# Altium PCB PCB1.pcbdoc (part 3 of 3) (continued)
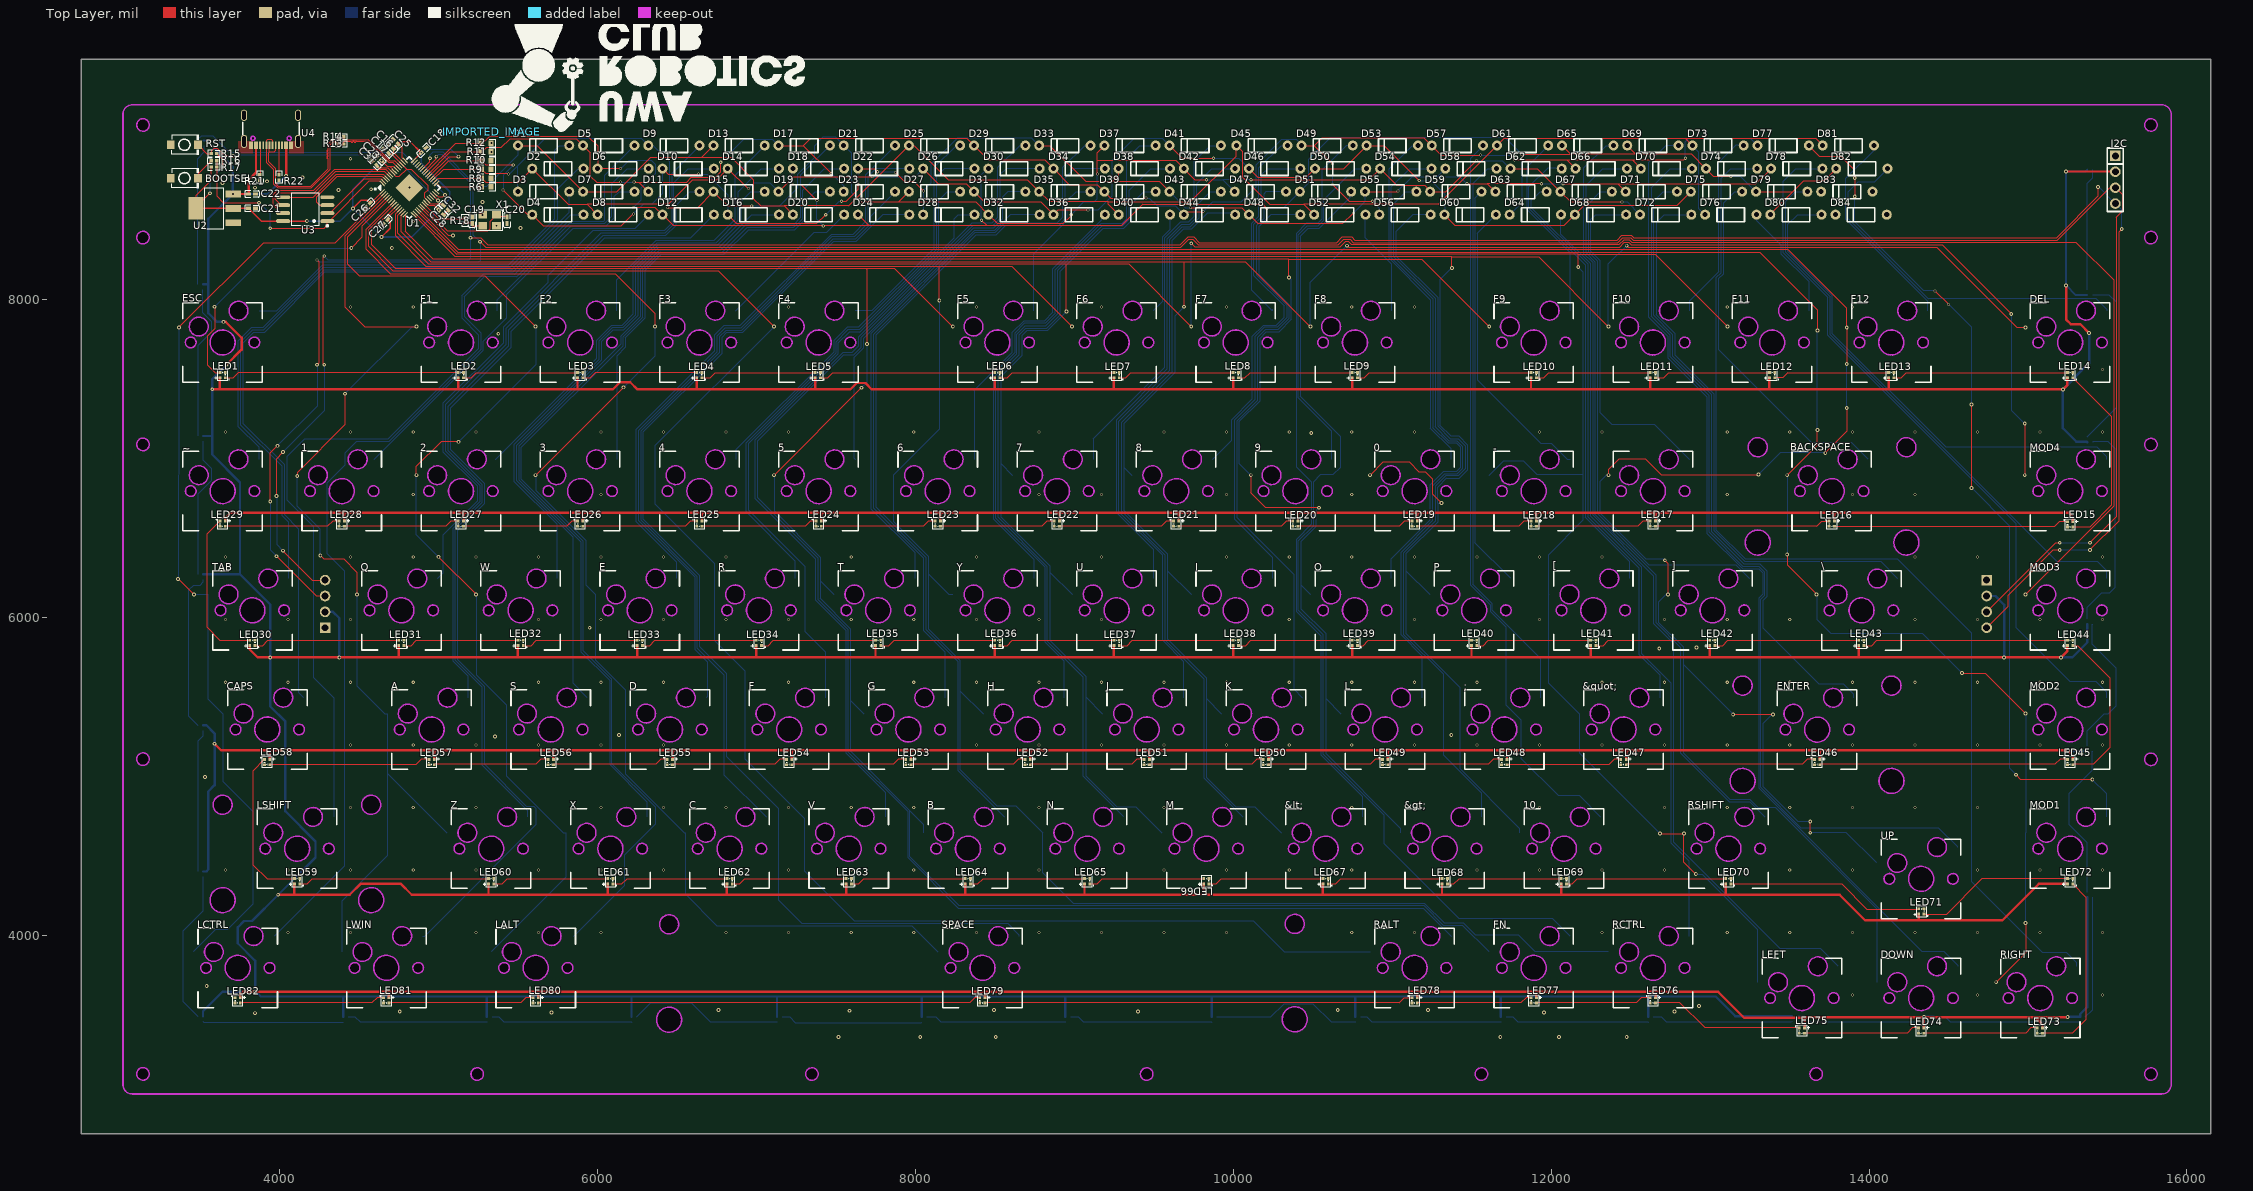
[diagram p0: Top Layer view]
## Nets (pads, with @x,y where several pads share a name; then routed paths per layer and width w, separated by ;. In a path a pad name is that pad's centre, name@x,y a point inside that pad or via, vN(x,y) a via of type N, cw(c..) or ccw(c..) an arc to the next point about the centre after c; other vN are vias at no path point) (continued)
  Bottom Layer w5: v1(6145,8737.79) v1(6230,8737.79) ; v1(6775,8862.79) 6920,9007.79 7098.58,9007.79 D17.1@7138.58,8967.79 ; v1(7470,8792.79) 7548.58,8714.21 D23.1@7548.58,8677.79 ; v1(9450,8637.79) 9470,8637.79 9520,8587.79 9633.58,8587.79 D44.1@9688.58,8532.79 ; v1(9810,8552.79) 9870,8612.79 10050,8612.79 10145,8707.79 10145,8847.79 10305,9007.79 10395,9007.79 10428.58,8974.21 D49.1@10428.58,8967.79 ; v1(10625,8722.79) v1(10625,8852.79) ; v1(10875,8617.79) 10918.58,8574.21 D56.1@10918.58,8532.79 ; v1(11555,8907.79) 11740,8907.79 v1(11770,8877.79) ; v1(12845,8887.79) 12845,8992.79 12865,9012.79 13253.58,9012.79 D77.1@13298.58,8967.79
R6: D6.1 D12.1 D18.1 D24.1 D30.1 D51.1 D64.1 D65.1 D69.1 D74.1 D79.1 D80.1 D82.1 R12.2 U1.35 | length 11950.3
  Top Layer w5: U1.35@4919.4,8796.05 5106.14,8982.79 R12.2@5270.34,8982.79 ; R12.2@5279.74,8985.86 5320.5,9026.62 5937.78,9026.62 5999.24,8965.16 D6.1@5999.24,8824.1 ; D6.1@5998.58,8822.79 v1(6145,8822.79) ; v1(6225,8577.79) 6363.58,8577.79 D12.1@6408.58,8532.79 6478.58,8462.79 v1(7420,8462.79) 7708.58,8462.79 ; v1(7225,8722.79) 7280,8722.79 v1(7380,8622.79) ; D24.1@7638.58,8532.79 7708.58,8462.79 ; v1(8415,8497.79) 8450,8462.79 ; v1(10210,8572.79) 10185,8597.79 9430,8597.79 9295,8462.79 8450,8462.79 ; v1(11815,8912.79) 12123.58,8912.79 ; D65.1@12068.58,8967.79 12123.58,8912.79 ; D69.1@12478.58,8967.79 12533.58,8912.79 ; v1(13130,8772.79) 13023.58,8772.79 D74.1@12973.58,8822.79 12883.58,8912.79 12533.58,8912.79 ; D79.1@13288.58,8677.79 13520,8677.79 ; D80.1@13378.58,8532.79 13378.58,8536.37 13520,8677.79 ; D82.1@13793.58,8822.79 13713.58,8742.79 13585,8742.79 13520,8677.79 ; 7708.58,8462.79 8450,8462.79 ; 12123.58,8912.79 12533.58,8912.79
  Bottom Layer w5: v1(6145,8822.79) 6195,8872.79 6340,8872.79 6365,8847.79 6365,8792.79 6275,8702.79 6275,8627.79 v1(6225,8577.79) ; v1(7225,8722.79) 7225,8819.21 D18.1@7228.58,8822.79 ; v1(7380,8622.79) 7380,8502.79 v1(7420,8462.79) ; v1(8415,8497.79) 8415,8782.79 8455,8822.79 D30.1@8458.58,8822.79 ; v1(10210,8572.79) 10313.58,8572.79 D51.1@10418.58,8677.79 10470,8729.21 10470,8877.79 10610,9017.79 11710,9017.79 v1(11815,8912.79) 11815,8609.21 D64.1@11738.58,8532.79 ; v1(13130,8772.79) 13193.58,8772.79 D79.1@13288.58,8677.79
SCL1: I2C.3 U1.37 | length 18120.5
  Top Layer w5: v2(3940,6728.73) 3940,7033.73 v2(3985,7078.73) ; v2(3980,6383.73) 4230,6133.73 I2C.3@4285,6133.73 ; v2(4235,7588.73) 4245,7598.73 4245,8237.79 v1(4235,8247.79) ; U1.37@4897.13,8818.32 4945,8866.19 v2(4945,8887.79) ; v2(5260,8362.79) 5295,8327.79 9670,8327.79 9720,8377.79 9745,8377.79 9780,8342.79 10660,8342.79 10695,8377.79 10735,8377.79 10755,8357.79 12420,8357.79 12450,8387.79 12500,8387.79 12515,8372.79 15185,8372.79 15515,8702.79 I2C.3@15550,8702.79 15595,8657.79 15595,8557.79 15555,8517.79 15555,6633.73 v2(15390,6468.73) ; I2C.3@14740,6033.73 15175,6468.73 v2(15200,6468.73)
  Bottom Layer w5: v2(3940,6728.73) 3940,6423.73 v2(3980,6383.73) ; v2(3985,7078.73) 4235,7328.73 v2(4235,7588.73) ; v1(4235,8247.79) 4250,8232.79 5250,8232.79 5260,8242.79 v2(5260,8362.79) 5215,8407.79 5215,8737.79 5025,8927.79 4965,8927.79 4945,8907.79 v2(4945,8887.79) ; v2(15200,6468.73) v2(15390,6468.73)
SDA1: I2C.4 U1.36 | length 18001.4
  Top Layer w5: v2(3980,6763.73) 3980,6998.73 v2(4020,7038.73) ; v2(4020,6418.73) 4205,6233.73 I2C.4@4285,6233.73 ; v2(4280,7588.73) 4270,7598.73 4270,8262.79 v1(4280,8272.79) ; U1.36@4908.27,8807.19 4985,8883.92 v2(4985,8897.79) ; v2(5200,8387.79) 5265,8387.79 5310,8342.79 9665,8342.79 9715,8392.79 9750,8392.79 9785,8357.79 10650,8357.79 10685,8392.79 10745,8392.79 10765,8372.79 12415,8372.79 12445,8402.79 12505,8402.79 12520,8387.79 15180,8387.79 15440,8647.79 v2(15440,8707.79) ; I2C.4@14740,5933.73 14875,6068.73 14875,6138.73 15160,6423.73 v2(15200,6423.73) ; v2(15390,6423.73) 15570,6603.73 15570,8422.79 v2(15590,8442.79)
  Bottom Layer w5: v2(3980,6763.73) 3980,6458.73 v2(4020,6418.73) ; v2(4020,7038.73) 4280,7298.73 v2(4280,7588.73) ; v1(4280,8272.79) 4305,8247.79 5190,8247.79 5200,8257.79 v2(5200,8387.79) 5200,8732.79 5020,8912.79 5000,8912.79 v2(4985,8897.79) ; v2(15200,6423.73) v2(15390,6423.73) ; v2(15440,8707.79) 15445,8707.79 I2C.4@15550,8602.79 15590,8562.79 v2(15590,8442.79)
VCC: C22.2 I2C.2 LED1.2 LED2.2 LED3.2 LED4.2 LED5.2 LED6.2 LED7.2 LED8.2 LED9.2 LED10.2 LED11.2 LED12.2 LED13.2 LED14.2 LED15.2 LED16.2 LED17.2 LED18.2 LED19.2 LED20.2 LED21.2 LED22.2 LED23.2 LED24.2 LED25.2 LED26.2 LED27.2 LED28.2 LED29.2 LED30.2 LED31.2 LED32.2 LED33.2 LED34.2 LED35.2 LED36.2 LED37.2 LED38.2 LED39.2 LED40.2 LED41.2 LED42.2 LED43.2 LED44.2 LED45.2 LED46.2 LED47.2 LED48.2 LED49.2 LED50.2 LED51.2 LED52.2 LED53.2 LED54.2 LED55.2 LED56.2 LED57.2 LED58.2 LED59.2 LED60.2 LED61.2 LED62.2 LED63.2 LED64.2 LED65.2 LED66.2 LED67.2 LED68.2 LED69.2 LED70.2 LED71.2 LED72.2 LED73.2 LED74.2 LED75.2 LED76.2 LED77.2 LED78.2 LED79.2 LED80.2 LED81.2 LED82.2 LED83.2 LED84.2 LED85.2 LED86.2 LED87.2 LED88.2 LED89.2 LED90.2 LED91.2 LED92.2 LED93.2 LED94.2 LED95.2 LED96.2 LED97.2 LED98.2 LED99.2 LED100.2 LED101.2 LED102.2 LED103.2 LED104.2 LED105.2 LED106.2 LED107.2 LED108.2 U2.3 U4.A4B9 U4.B4A9 | length 99291.8
  Top Layer w12.01: v2(15240,8803.73) 15549.06,8803.73 I2C.2@15550,8802.79
  Top Layer w15: v2(3575,7434.53) 5122.36,7434.53 ; v2(3590,5203.73) 3631.37,5162.37 3936.73,5162.37 ; 3623.27,7434.59 LED1.2@3623.27,7507 ; v2(3645,7858.73) 3660,7858.73 3760,7758.73 3760,7683.73 v2(3665,7588.73) ; LED29.2@3656.73,6605.46 3656.73,6625.46 3689.92,6658.65 v2(3750,6658.65) 4404.28,6658.65 ; v2(3705,8662.79) 3705.55,8663.34 U2.3@3706.93,8663.34 C22.2@3804.09,8663.34 ; LED82.2@3751.73,3605.46 3751.73,3625.46 3770,3643.73 v2(3845,3643.73) 4686.48,3643.73 ; C22.2@3803.54,8662.79 C22.2@3804.09,8663.34 ; LED30.2@3810.96,5822 3810.96,5797.77 3861.5,5747.23 v2(3940,5747.23) v2(4374.72,5747.23) 4749.17,5747.23 ; U4.B4A9@3850.51,8969.24 3850.51,8798.3 3805,8752.79 3805,8664.25 C22.2@3804.09,8663.34 ; LED58.2@3936.73,5105.46 3936.73,5162.37 ; v2(3990.07,4253.8) 4091.77,4253.8 ; v2(4039.49,8777.79) U4.A4B9@4039.49,8969.24 ; LED59.2@4091.95,4322 4091.95,4253.99 4091.77,4253.8 ; LED28.2@4406.73,6605.46 4406.73,6656.2 4404.28,6658.65 ; LED81.2@4686.73,3605.46 4686.73,3643.49 4686.48,3643.73 ; LED31.2@4748.27,5822 4748.27,5748.13 4749.17,5747.23 ; LED57.2@4971.73,5105.46 4971.73,5161.22 4972.88,5162.37 ; LED2.2@5123.27,7507 5123.27,7435.45 5122.36,7434.53 ; LED27.2@5156.73,6605.46 5156.73,6657.47 5155.55,6658.65 ; LED60.2@5313.27,4322 5313.27,4254.07 5313.61,4253.73 ; LED32.2@5498.27,5822 5498.27,5750.73 5494.77,5747.23 ; LED80.2@5626.73,3605.46 5626.73,3643.71 ; LED56.2@5721.73,5105.46 5721.73,5161.38 5722.72,5162.37 ; LED3.2@5873.27,7507 5873.27,7435.18 5872.63,7434.53 ; LED26.2@5906.73,6605.46 5906.73,6657.84 5905.92,6658.65 ; LED61.2@6063.27,4322 6063.27,4254.08 6063.61,4253.73 ; LED33.2@6248.27,5822 6248.27,5747.76 6248.8,5747.23 ; LED55.2@6471.73,5105.46 6471.73,5162.13 6471.49,5162.37 ; LED4.2@6623.27,7507 6623.27,7434.24 6622.77,7433.73 ; LED25.2@6656.73,6605.46 6656.73,6657.69 6655.77,6658.65 ; LED62.2@6813.27,4322 6813.27,4254.42 6813.96,4253.73 ; LED34.2@6998.27,5822 6998.27,5748.67 6999.71,5747.23 ; LED54.2@7221.73,5105.46 7221.73,5162.28 7221.65,5162.37 ; LED5.2@7368.27,7507 7368.27,7433.84 7368.17,7433.73 ; LED24.2@7406.73,6605.46 7406.73,6658.65 ; LED63.2@7563.27,4322 7563.27,4254.34 7562.67,4253.73 ; LED35.2@7748.27,5822 7748.27,5747.37 7748.13,5747.23 ; LED53.2@7971.73,5105.46 7971.73,5161.26 7970.62,5162.37 ; LED23.2@8156.73,6605.46 8156.73,6658.46 8156.93,6658.65 ; LED64.2@8313.27,4322 8313.27,4253.81 8313.19,4253.73 ; LED79.2@8437.98,3605.46 8437.98,3643.03 8438.68,3643.73 ; LED36.2@8498.27,5822 8498.27,5747.72 8497.78,5747.23 ; LED6.2@8498.27,7507 8498.27,7434.19 8497.82,7433.73 ; LED52.2@8721.73,5105.46 8721.73,5161.73 8721.1,5162.37 ; LED22.2@8906.73,6605.46 8906.73,6657.04 8905.11,6658.65 ; LED65.2@9063.27,4322 9063.27,4255.77 9061.23,4253.73 ; LED37.2@9248.27,5822 9248.27,5747.52 9248.56,5747.23 ; LED7.2@9248.27,7507 9248.27,7435.29 9246.71,7433.73 ; LED51.2@9471.73,5105.46 9471.73,5162.1 9471.46,5162.37 ; LED21.2@9656.73,6605.46 9656.73,6658.64 ; LED66.2@9813.27,4322 9813.27,4255.17 9811.84,4253.73 ; LED38.2@9998.27,5822 9998.27,5747.45 9998.05,5747.23 ; LED8.2@9998.27,7507 9998.27,7434.5 9999.04,7433.73 ; LED50.2@10221.73,5105.46 10221.73,5159.95 10219.31,5162.37 ; LED20.2@10406.73,6605.46 10406.73,6658.49 10406.57,6658.65 ; LED67.2@10563.27,4322 10563.27,4253.93 10563.07,4253.73 ; LED39.2@10748.27,5822 10748.27,5747.47 10748.51,5747.23 ; LED9.2@10748.27,7507 10748.27,7433.83 10748.17,7433.73 ; LED49.2@10971.73,5105.46 10971.73,5162.3 ; LED78.2@11156.73,3605.46 11156.73,3643.31 11157.15,3643.73 ; LED19.2@11156.73,6605.46 11156.73,6657.53 11155.61,6658.65 ; LED68.2@11313.27,4322 11313.27,4254.93 11312.07,4253.73 ; LED40.2@11498.27,5822 11498.27,5748.3 11497.2,5747.23 ; LED48.2@11721.73,5105.46 11721.73,5161.8 11721.16,5162.37 ; LED10.2@11873.27,7507 11873.27,7434.07 11873.61,7433.73 ; LED77.2@11906.73,3605.46 11906.73,3643.28 11907.18,3643.73 ; LED18.2@11906.73,6605.46 11906.73,6655.74 11903.81,6658.65 ; LED69.2@12063.27,4322 12063.27,4254.69 12062.32,4253.73 ; LED41.2@12248.27,5822 12248.27,5748.76 12246.74,5747.23 ; LED47.2@12471.73,5105.46 12471.73,5160.46 12469.82,5162.37 ; 12623.27,7433.75 LED11.2@12623.27,7507 ; LED76.2@12656.73,3605.46 12656.73,3643.18 12657.28,3643.73 ; LED17.2@12656.73,6605.46 12656.73,6656.32 12654.4,6658.65 ; LED42.2@12998.27,5822 12998.27,5747.6 12997.9,5747.23 ; 13098.27,4253.78 LED70.2@13098.27,4322 ; LED12.2@13373.27,7507 13373.27,7434.48 13372.52,7433.73 ; LED75.2@13594.44,3415.46 13594.44,3478.07 13595.11,3478.73 ; LED46.2@13690.41,5105.46 13690.41,5161.99 13690.04,5162.37 ; LED16.2@13781.73,6605.46 13781.73,6658.32 13782.06,6658.65 ; 13935.21,5747.29 LED43.2@13935.21,5822 ; LED13.2@14123.27,7507 14123.27,7434.32 14122.69,7433.73 ; LED71.2@14313.27,4132 14313.27,4094.03 14312.97,4093.73 ; LED74.2@14344.27,3415.46 14344.27,3483.01 v2(14345,3483.73) ; LED73.2@15091.73,3415.46 15091.73,3437 15045,3483.73 ; v2(15240,8087.79) 15240,7873.73 15270,7843.73 15330,7843.73 v2(15385,7788.73) ; LED72.2@15248.27,4322 15068.27,4322 14840,4093.73 14312.97,4093.73 ; LED44.2@15248.27,5822 15248.27,5787 v2(15208.5,5747.23) v2(14850,5747.23) 12997.9,5747.23 ; LED14.2@15248.27,7507 15248.27,7462 v2(15220,7433.73) 14122.69,7433.73 ; v2(15250,3483.73) 15045,3483.73 ; LED45.2@15281.73,5105.46 15281.73,5132 v2(15251.37,5162.37) 13690.04,5162.37 ; LED15.2@15281.73,6600.46 15281.73,6632 15255.08,6658.65 13782.06,6658.65 ; 3936.73,5162.37 v2(4035,5162.37) 4972.88,5162.37 ; 4091.77,4253.8 4440.07,4253.8 4510,4323.73 4760,4323.73 4830,4253.73 5313.61,4253.73 ; 4404.28,6658.65 5155.55,6658.65 ; 4686.48,3643.73 8438.68,3643.73 ; 4749.17,5747.23 5494.77,5747.23 ; 4972.88,5162.37 5722.72,5162.37 ; 5122.36,7434.53 5872.63,7434.53 ; 5155.55,6658.65 5905.92,6658.65 ; 5313.61,4253.73 6063.61,4253.73 ; 5494.77,5747.23 6248.8,5747.23 ; 5722.72,5162.37 6471.49,5162.37 ; 5872.63,7434.53 6095.8,7434.53 6140,7478.73 6205,7478.73 6250,7433.73 6622.77,7433.73 ; 5905.92,6658.65 6655.77,6658.65 ; 6063.61,4253.73 6813.96,4253.73 ; 6248.8,5747.23 6999.71,5747.23 ; 6471.49,5162.37 7221.65,5162.37 ; 6622.77,7433.73 7368.17,7433.73 ; 6655.77,6658.65 8156.93,6658.65 ; 6813.96,4253.73 7562.67,4253.73 ; 6999.71,5747.23 7748.13,5747.23 ; 7221.65,5162.37 7970.62,5162.37 ; 7368.17,7433.73 7590,7433.73 7630,7473.73 7685,7473.73 7725,7433.73 8497.82,7433.73 ; 7562.67,4253.73 8313.19,4253.73 ; 7748.13,5747.23 8497.78,5747.23 ; 7970.62,5162.37 8721.1,5162.37 ; 8156.93,6658.65 8905.11,6658.65 ; 8313.19,4253.73 9061.23,4253.73 ; 8438.68,3643.73 11157.15,3643.73 ; 8497.78,5747.23 9248.56,5747.23 ; 8497.82,7433.73 9246.71,7433.73 ; 8721.1,5162.37 9471.46,5162.37 ; 8905.11,6658.65 10406.57,6658.65 ; 9061.23,4253.73 9811.84,4253.73 ; 9246.71,7433.73 9999.04,7433.73 ; 9248.56,5747.23 9998.05,5747.23 ; 9471.46,5162.37 10219.31,5162.37 ; 9811.84,4253.73 10563.07,4253.73 ; 9998.05,5747.23 10748.51,5747.23 ; 9999.04,7433.73 10748.17,7433.73 ; 10219.31,5162.37 11721.16,5162.37 ; 10406.57,6658.65 11155.61,6658.65 ; 10563.07,4253.73 11312.07,4253.73 ; 10748.17,7433.73 11873.61,7433.73 ; 10748.51,5747.23 11497.2,5747.23 ; 11155.61,6658.65 11903.81,6658.65 ; 11157.15,3643.73 11907.18,3643.73 ; 11312.07,4253.73 12062.32,4253.73 ; 11497.2,5747.23 12246.74,5747.23 ; 11721.16,5162.37 12469.82,5162.37 ; 11873.61,7433.73 13372.52,7433.73 ; 11903.81,6658.65 12654.4,6658.65 ; 11907.18,3643.73 12657.28,3643.73 ; 12062.32,4253.73 13815,4253.73 13975,4093.73 14312.97,4093.73 ; 12246.74,5747.23 12997.9,5747.23 ; 12469.82,5162.37 13690.04,5162.37 ; 12654.4,6658.65 13782.06,6658.65 ; 12657.28,3643.73 13050,3643.73 13215,3478.73 13595.11,3478.73 ; 13372.52,7433.73 14122.69,7433.73 ; 13595.11,3478.73 13600.11,3483.73 v2(14345,3483.73) ; v2(14345,3483.73) 15045,3483.73
  Bottom Layer w12: LED107.2@15373.27,8027 15300.79,8027 v2(15240,8087.79) v2(15240,8803.73) 15360,8803.73 LED108.2@15373.27,8817
  Bottom Layer w15: LED89.2@3516.73,3490.46 3516.73,3520.46 3640,3643.73 v2(3845,3643.73) ; LED88.2@3516.73,4400.46 3537.94,4400.46 3550,4412.52 3550,4903.73 3590,4943.73 v2(3590,5203.73) 3590,5268.73 3538.27,5320.46 LED87.2@3516.73,5320.46 ; LED86.2@3516.73,6270.46 3750,6270.46 ; LED85.2@3516.73,7140.46 3574.5,7140.46 3575,7140.97 ; LED84.2@3516.73,8095.46 3549.86,8095.46 3550,8095.6 ; LED83.2@3521.73,8999.52 3538.09,8999.52 3705,8832.61 v2(3705,8662.79) ; v2(3645,7858.73) 3605,7858.73 3550,7913.73 3550,8095.6 ; v2(3665,7588.73) 3575,7498.73 v2(3575,7434.53) 3575,7140.97 ; v2(4039.49,8777.79) 3924.49,8662.79 v2(3705,8662.79) ; I2C.2@4285,6033.73 4335,6033.73 4374.72,5994.01 v2(4374.72,5747.23) ; LED90.2@4398.27,3485.46 4398.27,3611.64 4396.18,3613.73 ; LED91.2@5303.27,3485.46 5303.27,3612.52 5304.48,3613.73 ; LED92.2@6213.27,3485.46 6213.27,3612.93 6212.46,3613.73 ; LED93.2@7128.27,3485.46 7128.27,3613.11 7127.64,3613.73 ; LED94.2@8038.27,3485.46 8038.27,3612.89 8039.12,3613.73 ; LED95.2@8943.27,3485.46 8943.27,3613.19 8942.73,3613.73 ; LED96.2@9863.27,3485.46 9863.27,3613.4 9863.6,3613.73 ; LED97.2@10768.27,3485.46 10768.27,3613.53 10768.47,3613.73 ; LED98.2@11683.27,3485.46 11683.27,3613.2 11683.8,3613.73 ; LED99.2@12610.26,3485.46 12610.26,3613.45 12609.98,3613.73 ; LED100.2@13515.26,3490.46 13158.27,3490.46 13035,3613.73 12609.98,3613.73 ; v2(14345,3483.73) 14346.73,3485.47 LED101.2@14406.28,3485.47 ; I2C.2@14740,6133.73 14795,6133.73 14850,6078.73 v2(14850,5747.23) ; v2(15208.5,5747.23) 15278.5,5747.23 15373.27,5842 LED105.2@15373.27,5957 ; v2(15250,3483.73) 15251.73,3485.46 LED102.2@15328.27,3485.46 15328.27,3501.82 15373.27,3546.82 LED103.2@15373.27,4237 ; v2(15251.37,5162.37) 15256.73,5157 LED104.2@15373.27,5157 ; LED106.2@15373.27,7102 15371.54,7103.73 15305,7103.73 15220,7188.73 v2(15220,7433.73) 15385,7598.73 v2(15385,7788.73) ; 3550,8095.6 3550,8507.79 v2(3705,8662.79) ; 3575,7140.97 3575,7023.73 3750,6848.73 v2(3750,6658.65) 3750,6270.46 ; 3750,6270.46 3940,6080.46 v2(3940,5747.23) 3940,5438.73 4035,5343.73 v2(4035,5162.37) 4035,4778.73 4225,4588.73 4225,4488.73 v2(3990.07,4253.8) 3825,4088.73 3775,4088.73 3735,4048.73 3735,3948.73 3845,3838.73 v2(3845,3643.73) ; v2(3845,3643.73) 3850,3643.73 3880,3613.73 4396.18,3613.73 ; 4396.18,3613.73 5304.48,3613.73 ; 5304.48,3613.73 6212.46,3613.73 ; 6212.46,3613.73 7127.64,3613.73 ; 7127.64,3613.73 8039.12,3613.73 ; 8039.12,3613.73 8942.73,3613.73 ; 8942.73,3613.73 9863.6,3613.73 ; 9863.6,3613.73 10768.47,3613.73 ; 10768.47,3613.73 11683.8,3613.73 ; 11683.8,3613.73 12609.98,3613.73
XIN: C20.2 U1.20 X1.1 | length 674.6
  Top Layer w5: U1.20@4897.13,8587.25 5056.6,8427.79 5305,8427.79 5320,8442.79 5320,8488.93 X1.1@5363.31,8532.24 5376.3,8519.25 C20.2@5430,8519.25
XOUT: R18.1 U1.21 | length 301.3
  Top Layer w5: U1.21@4908.26,8598.38 5003.86,8502.79 5152.96,8502.79 R18.1@5165,8514.83
pads on no net: D83.1 D83.2 D84.1 D84.2 LED82.1 LED108.1 U1.6 U1.24 U1.25 U1.28 U1.38 U1.39 U1.40 U1.41 U4.A8 U4.B8

## Polygon pours and split planes (outlines as drawn)
GND on Top Layer (solid, pour order 0): 3010,9218.73 15900,9218.73 15900,3003.73 3010,3003.73
GND on Bottom Layer (solid, pour order 4): 3000,9218.73 15900,9218.73 15900,3003.73 3000,3003.73

## Keep-outs
Board Outline Layer:
  circle w1: c6449.61,4067.51 r60.04
  circle w10: c6449.61,4067.51 r60.04
  circle w1: c6449.61,3467.51 r78.74
  circle w10: c6449.61,3467.51 r78.74
  circle w1: c10386.61,3470.29 r78.74
  circle w10: c10386.61,3470.29 r78.74
  circle w1: c10386.61,4070.29 r60.04
  circle w10: c10386.61,4070.29 r60.04
  circle w1: c13204.02,4969.93 r78.74
  circle w10: c13204.02,4969.93 r78.74
  circle w1: c13204.02,5569.93 r60.04
  circle w10: c13204.02,5569.93 r60.04
  circle w1: c14141.02,4969.93 r78.74
  circle w10: c14141.02,4969.93 r78.74
  circle w1: c14140.98,5569.93 r60.04
  circle w10: c14140.98,5569.93 r60.04
  circle w1: c13300,7069.93 r60.04
  circle w10: c13300,7069.93 r60.04
  circle w1: c13300.04,6469.93 r78.74
  circle w10: c13300.04,6469.93 r78.74
  circle w1: c14235,7069.93 r60.04
  circle w10: c14235,7069.93 r60.04
  circle w1: c14235.04,6469.93 r78.74
  circle w10: c14235.04,6469.93 r78.74
  circle w1: c4575,4819.93 r60.04
  circle w10: c4575,4819.93 r60.04
  circle w1: c4575,4219.93 r78.74
  circle w10: c4575,4219.93 r78.74
  circle w1: c3640,4819.93 r60.04
  circle w10: c3640,4819.93 r60.04
  circle w1: c3640,4219.93 r78.74
  circle w10: c3640,4219.93 r78.74
  circle w1: c3139.49,9097.49 r39.37
  circle w10: c3139.49,9097.49 r39.37
  circle w1: c3139.49,7087.38 r39.37
  circle w10: c3139.49,7087.38 r39.37
  circle w1: c3139.49,5107.07 r39.37
  circle w10: c3139.49,5107.07 r39.37
  circle w1: c3139.49,3126.76 r39.37
  circle w10: c3139.49,3126.76 r39.37
  circle w1: c5242.17,3125.58 r39.37
  circle w10: c5242.17,3125.58 r39.37
  circle w1: c7348.46,3125.58 r39.37
  circle w10: c7348.46,3125.58 r39.37
  circle w1: c9454.76,3125.58 r39.37
  circle w10: c9454.76,3125.58 r39.37
  circle w1: c11561.06,3125.58 r39.37
  circle w10: c11561.06,3125.58 r39.37
  circle w1: c13667.32,3125.58 r39.37
  circle w10: c13667.32,3125.58 r39.37
  circle w1: c15773.62,3125.58 r39.37
  circle w10: c15773.62,3125.58 r39.37
  circle w1: c15773.62,5105.89 r39.37
  circle w10: c15773.62,5105.89 r39.37
  circle w1: c15773.62,7086.2 r39.37
  circle w10: c15773.62,7086.2 r39.37
  circle w1: c15773.62,9097.49 r39.37
  circle w10: c15773.62,9097.49 r39.37
  circle w1: c15773.62,8388.82 r39.37
  circle w10: c15773.62,8388.82 r39.37
  circle w1: c3139.49,8388.82 r39.37
  circle w10: c3139.49,8388.82 r39.37
  lines w10: 3013.24,3059.05 3013.24,9165.19 cw(c3072.29,9165.19) 3072.29,9224.24 15841.85,9224.24 cw(c15841.85,9165.19) 15900.91,9165.19 15900.91,3059.05 cw(c15841.85,3059.05) 15841.85,3000 3072.29,3000 cw(c3072.29,3059.06) 3013.24,3059.06

## Silkscreen, mask and mechanical layers (free items; w line width, h text height)
Bottom Silkscreen Layer:
  text "JLCJLCJLCJLC" at 15125,8763.73 h122
  text "ver1.0" at 14880,8618.73 h120
Mechanical Layer:
  circle w1: c6449.61,4067.51 r60.04
  circle w1: c6449.61,3467.51 r78.74
  circle w1: c10386.61,3470.29 r78.74
  circle w1: c10386.61,4070.29 r60.04
  circle w1: c13204.02,4969.93 r78.74
  circle w1: c13204.02,5569.93 r60.04
  circle w1: c14141.02,4969.93 r78.74
  circle w1: c14140.98,5569.93 r60.04
  circle w1: c13300,7069.93 r60.04
  circle w1: c13300.04,6469.93 r78.74
  circle w1: c14235,7069.93 r60.04
  circle w1: c14235.04,6469.93 r78.74
  circle w1: c4575,4819.93 r60.04
  circle w1: c4575,4219.93 r78.74
  circle w1: c3640,4819.93 r60.04
  circle w1: c3640,4219.93 r78.74
  circle w1: c3139.49,9097.49 r39.37
  circle w1: c3139.49,7087.38 r39.37
  circle w1: c3139.49,5107.07 r39.37
  circle w1: c3139.49,3126.76 r39.37
  circle w1: c5242.17,3125.58 r39.37
  circle w1: c7348.46,3125.58 r39.37
  circle w1: c9454.76,3125.58 r39.37
  circle w1: c11561.06,3125.58 r39.37
  circle w1: c13667.32,3125.58 r39.37
  circle w1: c15773.62,3125.58 r39.37
  circle w1: c15773.62,5105.89 r39.37
  circle w1: c15773.62,7086.2 r39.37
  circle w1: c15773.62,9097.49 r39.37
  circle w1: c15773.62,8388.82 r39.37
  circle w1: c3139.49,8388.82 r39.37
Mech6:
  lines w5: 3639.8,7354.12 3639.8,7729.12 ; 3640,6418.73 3640,6793.73 ; 3735.47,3418.54 3735.47,3793.54 ; 3827.5,5668.69 3827.6,5668.79 3827.6,6043.69 ; 3921.69,4918.69 3921.69,5293.69 ; 4108.7,4543.69 4108.7,4170.31 4110.47,4168.54 ; 4390,6418.73 4390,6793.73 ; 4670.9,3418.69 4670.9,3793.69 ; 4765,5668.73 4765,6043.73 ; 4952.5,4918.73 4955,4921.23 4955,5293.73 ; 5140,6418.73 5140,6793.73 ; 5140,7353.73 5140,7358.2 5144.57,7362.77 5140,7367.34 5140,7728.73 ; 5330,4168.73 5330,4543.73 ; 5515,5668.73 5515,6043.73 ; 5610.66,3418.69 5610.66,3793.69 ; 5705,4918.73 5705,5293.73 ; 5890,6418.73 5890,6782.95 ; 5890,7728.73 5890,7354.94 5890.98,7353.95 ; 6080,4168.73 6080,4543.73 ; 6265,5668.73 6265,6043.73 ; 6455,4918.73 6455,5293.73 ; 6640,6418.73 6640,6793.73 ; 6640,7353.73 6640,7728.73 ; 6830,4168.73 6830,4543.73 ; 7015,5668.73 7015,6043.73 ; 7205,4918.73 7205,5293.73 ; 7390,6418.73 7390,6793.73 ; 7390,7353.73 7390,7728.73 ; 7580,4168.73 7580,4543.73 ; 7765,5668.73 7765,6043.73 ; 7955,4918.73 7955,5293.73 ; 8140,6418.73 8140,6793.73 ; 8330,4168.73 8330,4543.73 ; 8421.25,3418.73 8421.29,3418.77 8421.29,3793.69 ; 8515,5668.73 8515,6043.73 ; 8515,7353.73 8515,7728.73 ; 8705,4918.73 8705,5293.73 ; 8890,6418.73 8890,6793.73 ; 9080,4168.73 9080,4543.73 ; 9265,5668.73 9265,6043.73 ; 9265,7353.73 9265,7728.73 ; 9455,4918.73 9455,5293.73 ; 9640,6418.73 9640,6793.73 ; 9830,4168.73 9830,4543.73 ; 10015,5668.73 10015,6043.73 ; 10015,7353.73 10015,7728.73 ; 10205,4918.73 10205,5293.73 ; 10390,6418.73 10390,6793.73 ; 10580,4168.73 10580,4543.73 ; 10765,5668.73 10765,6043.73 ; 10765,7353.73 10765,7728.73 ; 10955,4918.73 10955,5293.73 ; 11140,3418.73 11140,3793.73 ; 11140,6418.73 11140,6793.73 ; 11330,4168.73 11330,4543.73 ; 11515,5668.73 11515,6043.73 ; 11705,4918.73 11705,5293.73 ; 11890,3418.73 11890,3793.73 ; 11890,6418.73 11890,6793.73 ; 11890,7353.73 11890,7728.73 ; 12080,4168.73 12080,4543.73 ; 12265,5668.73 12265,6043.73 ; 12455,4918.73 12455,5293.73 ; 12640,3418.73 12640,3793.73 ; 12640,6418.73 12640,6793.73 ; 12640,7353.73 12640,7728.73 ; 13015,5668.73 13015,6043.73 ; 13115,4168.73 13115,4543.73 ; 13390,7353.73 13390,7728.73 ; 13577.58,3228.93 13577.58,3603.93 ; 13673.64,4918.3 13673.64,5293.3 ; 13765,6418.73 13765,6793.73 ; 13952.38,6043.29 13952.38,5668.41 13952.5,5668.29 ; 14140,7353.73 14140,7728.73 ; 14327.58,3228.93 14327.58,3603.93 ; 14327.58,3978.93 14327.58,4353.93 ; 15077.57,3228.93 15077.57,3603.93 ; 15265,4168.73 15265,4543.73 ; 15265,4918.73 15265,5293.73 ; 15265,5668.73 15265,6043.73 ; 15265,6418.73 15265,6793.73 ; 15265,7353.73 15265,7728.73
  lines w10: 3265,3418.89 3265,3418.73 ; 3452.5,6166.86 3452.5,6228.73 ; 3546.25,5490.38 3546.25,5558.73 ; 3733.75,4823.73 3733.75,4764.98 3735,4763.73 ; 8046.34,3890.13 8046.34,3944.09 ; 11515,8136.83 11515,8162.79 ; 12455,4168.73 13767.5,4168.73 13767.5,4918.73 12455,4918.73 ; 12827.64,4918.73 14512.64,4918.73 14515.14,4921.23 14515.14,5668.73 ; 13298.75,5526.76 13298.75,5603.73 ; 14140,6982.83 14140,7043.73 ; 14327.5,6278.55 14327.5,6348.73 ; 14890,7353.73 14890,7168.73 14927.88,7168.73 ; 14890,8126.44 14890,8162.79 ; 3265,3418.73 4202.5,3418.73 ; 3265,3418.73 3265,4168.73 ; 3265,4168.73 4202.5,4168.73 ; 3265,4168.73 3265,4918.73 ; 3265,4168.73 4950,4168.73 4952.5,4171.23 4952.5,4918.73 3265,4918.73 ; 3265,4918.73 3265,5668.73 ; 3265,4918.73 4575,4918.73 4577.5,4921.23 4577.5,5668.73 3265,5668.73 ; 3265,5668.73 3265,6418.73 4390,6418.73 4390,5668.73 3265,5668.73 ; 4202.5,3418.73 4202.5,4168.73 ; 4202.5,3418.73 5140,3418.73 ; 4202.5,3418.73 4202.5,4168.73 ; 4202.5,4168.73 5140,4168.73 ; 5140,3418.73 5140,4168.73 ; 5140,3418.73 6077.5,3418.73 ; 5140,3418.73 5140,4168.73 ; 5140,4168.73 6077.5,4168.73 ; 6077.5,3418.73 6077.5,4168.73 ; 6077.5,3418.73 10765,3418.73 10765,4168.73 6077.5,4168.73 ; 6077.5,3418.73 6077.5,4168.73 ; 14515,6418.73 13390,6418.73 13390,5668.73 14515,5668.73 14515,6418.73 ; 14515,6418.73 14515,7168.73 13015,7168.73 13015,6418.73 14515,6418.73

## Text inside footprints (layer, text, board x,y; h text height)
0: Mech6 "1U" at 11392.05,6421.87 h117.97
1: Mech6 "1U" at 4642.05,6421.87 h117.97
2: Mech6 "1U" at 5392.05,6421.87 h117.97
3: Mech6 "1U" at 6142.05,6421.87 h117.97
4: Mech6 "1U" at 6892.05,6421.87 h117.97
5: Mech6 "1U" at 7642.05,6421.87 h117.97
6: Mech6 "1U" at 8392.05,6421.87 h117.97
7: Mech6 "1U" at 9142.05,6421.87 h117.97
8: Mech6 "1U" at 9892.05,6421.87 h117.97
9: Mech6 "1U" at 10642.05,6421.87 h117.97
10: Mech6 "1U" at 12332.05,4171.87 h117.97
&gt;: Mech6 "1U" at 11582.05,4171.87 h117.97
&lt;: Mech6 "1U" at 10832.05,4171.87 h117.97
&quot;: Mech6 "1U" at 12707.05,4921.87 h117.97
-: Mech6 "1U" at 12142.05,6421.87 h117.97
;: Mech6 "1U" at 11957.05,4921.87 h117.97
[: Mech6 "1U" at 12517.05,5671.87 h117.97
\: Mech6 "1U" at 14204.43,5671.43 h117.97
]: Mech6 "1U" at 13267.05,5671.87 h117.97
A: Mech6 "1U" at 5207.05,4921.87 h117.97
B: Mech6 "1U" at 8582.05,4171.87 h117.97
BACKSPACE: Mech6 "1U" at 14017.05,6421.87 h117.97
C: Mech6 "1U" at 7082.05,4171.87 h117.97
CAPS: Mech6 "1U" at 4173.74,4921.82 h117.97
D: Mech6 "1U" at 6707.05,4921.87 h117.97
DEL: Mech6 "1U" at 15517.05,7356.87 h117.97
DOWN: Mech6 "1U" at 14579.62,3232.06 h117.97
E: Mech6 "1U" at 6517.05,5671.87 h117.97
ENTER: Mech6 "1U" at 13925.69,4921.43 h117.97
ESC: Mech6 "1U" at 3891.85,7357.25 h117.97
F: Mech6 "1U" at 7457.05,4921.87 h117.97
F1: Mech6 "1U" at 5392.05,7356.87 h117.97
F2: Mech6 "1U" at 6142.05,7356.87 h117.97
F3: Mech6 "1U" at 6892.05,7356.87 h117.97
F4: Mech6 "1U" at 7642.05,7356.87 h117.97
F5: Mech6 "1U" at 8767.05,7356.87 h117.97
F6: Mech6 "1U" at 9517.05,7356.87 h117.97
F7: Mech6 "1U" at 10267.05,7356.87 h117.97
F8: Mech6 "1U" at 11017.05,7356.87 h117.97
F9: Mech6 "1U" at 12142.05,7356.87 h117.97
F10: Mech6 "1U" at 12892.05,7356.87 h117.97
F11: Mech6 "1U" at 13642.05,7356.87 h117.97
F12: Mech6 "1U" at 14392.05,7356.87 h117.97
FN: Mech6 "1U" at 12142.05,3421.87 h117.97
G: Mech6 "1U" at 8207.05,4921.87 h117.97
H: Mech6 "1U" at 8957.05,4921.87 h117.97
I: Mech6 "1U" at 10267.05,5671.87 h117.97
J: Mech6 "1U" at 9707.05,4921.87 h117.97
K: Mech6 "1U" at 10457.05,4921.87 h117.97
L: Mech6 "1U" at 11207.05,4921.87 h117.97
LALT: Mech6 "1U" at 5862.71,3421.82 h117.97
LCTRL: Mech6 "1U" at 3987.52,3421.67 h117.97
LEFT: Mech6 "1U" at 13829.63,3232.06 h117.97
LSHIFT: Mech6 "1U" at 4360.75,4171.82 h117.97
LWIN: Mech6 "1U" at 4922.95,3421.82 h117.97
M: Mech6 "1U" at 10082.05,4171.87 h117.97
MOD1: Mech6 "1U" at 15517.05,4171.87 h117.97
MOD2: Mech6 "1U" at 15517.05,4921.87 h117.97
MOD3: Mech6 "1U" at 15517.05,5671.87 h117.97
MOD4: Mech6 "1U" at 15517.05,6421.87 h117.97
N: Mech6 "1U" at 9332.05,4171.87 h117.97
O: Mech6 "1U" at 11017.05,5671.87 h117.97
P: Mech6 "1U" at 11767.05,5671.87 h117.97
Q: Mech6 "1U" at 5017.05,5671.87 h117.97
R: Mech6 "1U" at 7267.05,5671.87 h117.97
RALT: Mech6 "1U" at 11392.05,3421.87 h117.97
RCTRL: Mech6 "1U" at 12892.05,3421.87 h117.97
RIGHT: Mech6 "1U" at 15329.62,3232.06 h117.97
RSHIFT: Mech6 "1U" at 13367.05,4171.87 h117.97
S: Mech6 "1U" at 5957.05,4921.87 h117.97
SPACE: Mech6 "1U" at 8673.34,3421.82 h117.97
T: Mech6 "1U" at 8017.05,5671.87 h117.97
TAB: Mech6 "1U" at 4079.64,5671.82 h117.97
U: Mech6 "1U" at 9517.05,5671.87 h117.97
UP: Mech6 "1U" at 14579.62,3982.06 h117.97
V: Mech6 "1U" at 7832.05,4171.87 h117.97
W: Mech6 "1U" at 5767.05,5671.87 h117.97
X: Mech6 "1U" at 6332.05,4171.87 h117.97
Y: Mech6 "1U" at 8767.05,5671.87 h117.97
Z: Mech6 "1U" at 5582.05,4171.87 h117.97
~: Mech6 "1U" at 3892.05,6421.87 h117.97
?: Mech6 "1U" at 12892.05,6421.87 h117.97